# Altium PCB SI940D.PcbDoc (part 1 of 3) (continued)
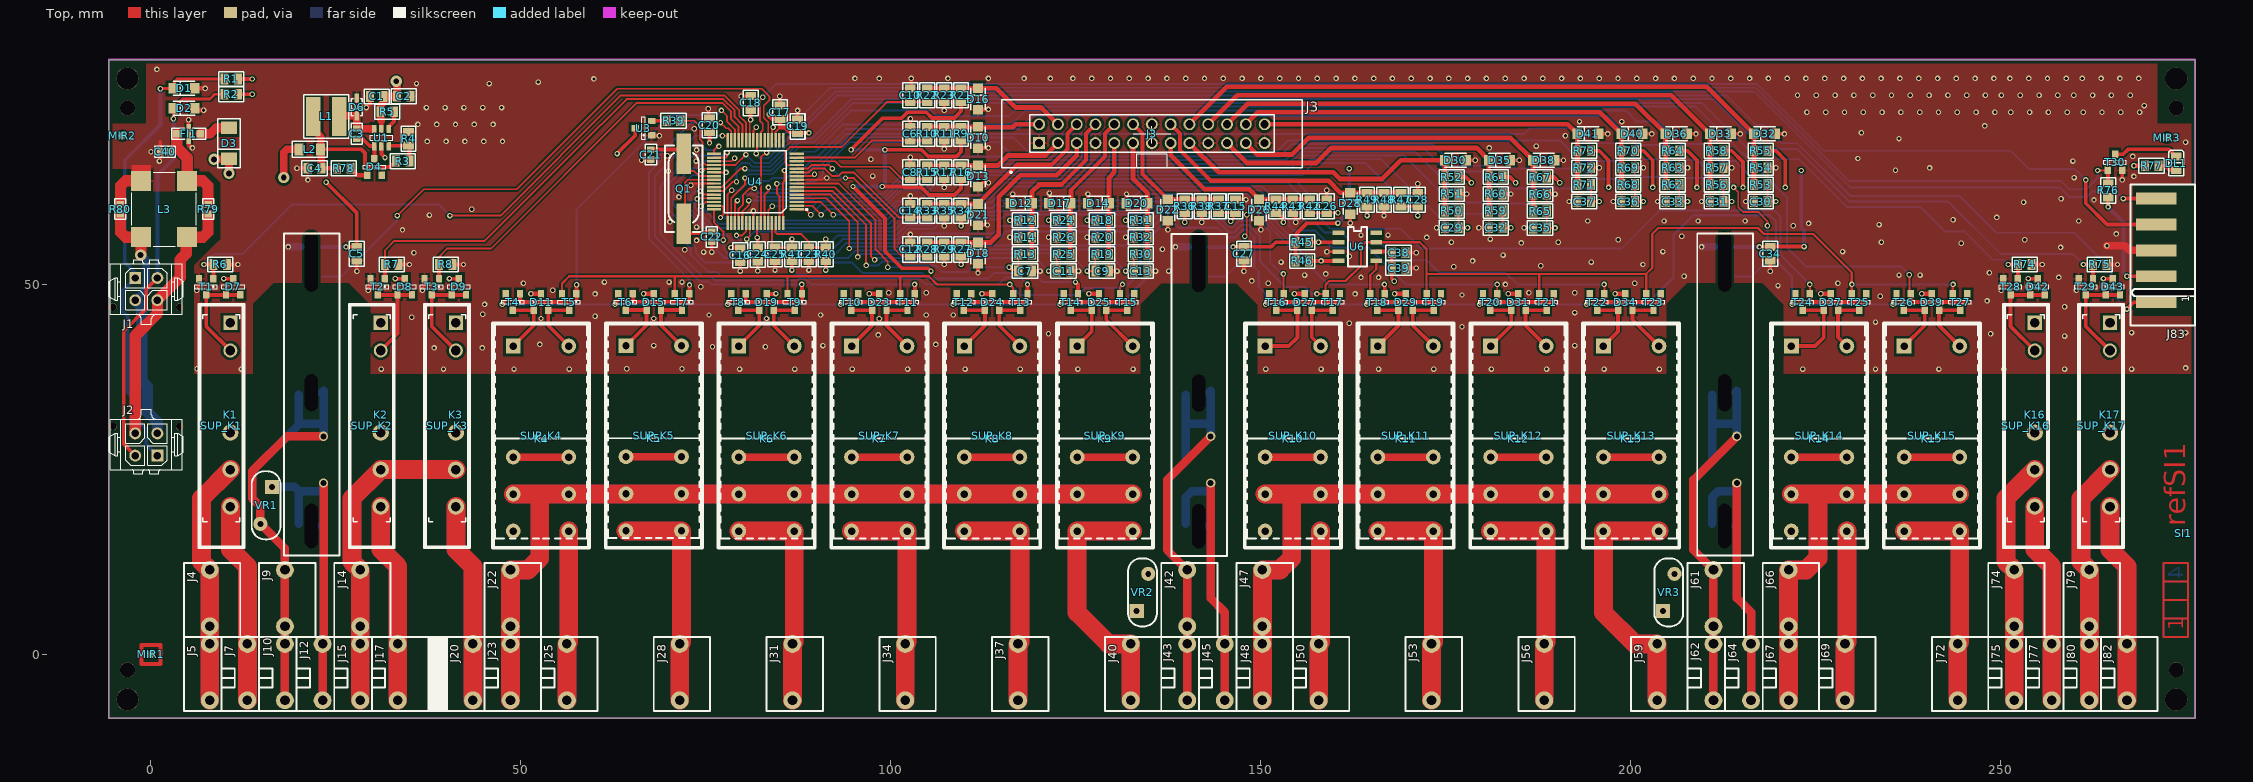
[diagram p0: Top view]
## Components (designator, comment, footprint, x,y, rotation, side; value= is the part's Value field where it differs from the comment) (continued)
K11 "RELAY_12VDC_1RT_BI_40.61.6" RELAY_FINDER_40.61_+SUPPORT_95 169.545,29.53 r0 top
K12 "RELAY_12VDC_1RT_BI_40.61.6" RELAY_FINDER_40.61_+SUPPORT_95 184.785,29.53 r0 top
K13 "RELAY_12VDC_1RT_BI_40.61.6" RELAY_FINDER_40.61_+SUPPORT_95 200.025,29.53 r0 top
K14 "RELAY_12VDC_1RT_BI_40.61.6" RELAY_FINDER_40.61_+SUPPORT_95 225.425,29.53 r0 top
K15 "RELAY_12VDC_1RT_BI_40.61.6" RELAY_FINDER_40.61_+SUPPORT_95 240.665,29.53 r0 top
K16 "RELAY_12VDC_1RT_34.51" RELAY_FINDER_34.51_+SUPPORT_93 253.365,30.88 r270 top
K17 "RELAY_12VDC_1RT_34.51" RELAY_FINDER_34.51_+SUPPORT_93 263.525,30.88 r270 top
L1 "SELF_10UH_1.19A_744043100" SELF_WE-TPC_4.8X4.78_(TYPE4828) 23.685,72.707 r180 top
L2 "IND_FERRITE_1206_74279218" 1206_REFLOWSOLDERING_FERRITE 21.463,68.263 r180 top
L3 "744272102" 744272102 1.778,60.198 r270 top
MIR1 "MIRE_PICK-N-PLACE" MIRE_PICK-N-PLACE_D1MM_VE3MM 0,0 r0 top
MIR2 "MIRE_PICK-N-PLACE" MIRE_PICK-N-PLACE_D1MM_VE3MM -3.873,70.104 r0 top
MIR3 "MIRE_PICK-N-PLACE" MIRE_PICK-N-PLACE_D1MM_VE3MM 272.415,69.85 r0 top
Q1 "QUARTZ_HC49/4HSMX_20M" QUARTZ_HC49_11.5X5_CMS 71.981,62.946 r270 top
R1 "RES_0805_1%_100PPM_0R" 0805_REFLOWSOLDERING_RES 10.827,77.772 r180 top
R2 "RES_0805_1%_100PPM_0R" 0805_REFLOWSOLDERING_RES 10.827,75.708 r180 top
R3 "RES_0805_1%_100PPM_47K" 0805_REFLOWSOLDERING_RES 34.004,66.675 r180 top
R4 "RES_0805_1%_100PPM_9.1K" 0805_REFLOWSOLDERING_RES 34.798,69.691 r270 top
R5 "RES_0805_1%_100PPM_10K" 0805_REFLOWSOLDERING_RES 31.941,73.343 r180 top
R6 "RES_0805_1%_100PPM_10K" 0805_REFLOWSOLDERING_RES 9.366,52.705 r180 top
R7 "RES_0805_1%_100PPM_10K" 0805_REFLOWSOLDERING_RES 32.544,52.705 r180 top
R8 "RES_0805_1%_100PPM_10K" 0805_REFLOWSOLDERING_RES 39.846,52.705 r180 top
R9 "RES_0805_1%_100PPM_10K" 0805_REFLOWSOLDERING_RES 109.474,70.358 r270 top
R10 "RES_0805_1%_100PPM_22K" 0805_REFLOWSOLDERING_RES 104.902,70.358 r270 top
R11 "RES_0805_1%_100PPM_6.8K" 0805_REFLOWSOLDERING_RES 107.188,70.358 r90 top
R12 "RES_0805_1%_100PPM_10K" 0805_REFLOWSOLDERING_RES 118.11,58.674 r180 top
R13 "RES_0805_1%_100PPM_22K" 0805_REFLOWSOLDERING_RES 118.11,54.102 r180 top
R14 "RES_0805_1%_100PPM_6.8K" 0805_REFLOWSOLDERING_RES 118.11,56.388 r0 top
R15 "RES_0805_1%_100PPM_22K" 0805_REFLOWSOLDERING_RES 104.902,65.151 r270 top
R16 "RES_0805_1%_100PPM_10K" 0805_REFLOWSOLDERING_RES 109.474,65.151 r270 top
R17 "RES_0805_1%_100PPM_6.8K" 0805_REFLOWSOLDERING_RES 107.188,65.151 r90 top
R18 "RES_0805_1%_100PPM_10K" 0805_REFLOWSOLDERING_RES 128.524,58.674 r180 top
R19 "RES_0805_1%_100PPM_22K" 0805_REFLOWSOLDERING_RES 128.524,54.102 r180 top
R20 "RES_0805_1%_100PPM_6.8K" 0805_REFLOWSOLDERING_RES 128.524,56.388 r0 top
R21 "RES_0805_1%_100PPM_10K" 0805_REFLOWSOLDERING_RES 109.474,75.565 r270 top
R22 "RES_0805_1%_100PPM_22K" 0805_REFLOWSOLDERING_RES 104.902,75.565 r270 top
R23 "RES_0805_1%_100PPM_6.8K" 0805_REFLOWSOLDERING_RES 107.188,75.565 r90 top
R24 "RES_0805_1%_100PPM_10K" 0805_REFLOWSOLDERING_RES 123.317,58.674 r180 top
R25 "RES_0805_1%_100PPM_22K" 0805_REFLOWSOLDERING_RES 123.317,54.102 r180 top
R26 "RES_0805_1%_100PPM_6.8K" 0805_REFLOWSOLDERING_RES 123.317,56.388 r0 top
R27 "RES_0805_1%_100PPM_10K" 0805_REFLOWSOLDERING_RES 109.474,54.737 r270 top
R28 "RES_0805_1%_100PPM_22K" 0805_REFLOWSOLDERING_RES 104.902,54.737 r270 top
R29 "RES_0805_1%_100PPM_6.8K" 0805_REFLOWSOLDERING_RES 107.188,54.737 r90 top
R30 "RES_0805_1%_100PPM_22K" 0805_REFLOWSOLDERING_RES 133.731,54.102 r180 top
R31 "RES_0805_1%_100PPM_10K" 0805_REFLOWSOLDERING_RES 133.731,58.674 r180 top
R32 "RES_0805_1%_100PPM_6.8K" 0805_REFLOWSOLDERING_RES 133.731,56.388 r0 top
R33 "RES_0805_1%_100PPM_22K" 0805_REFLOWSOLDERING_RES 104.902,59.944 r270 top
R34 "RES_0805_1%_100PPM_10K" 0805_REFLOWSOLDERING_RES 109.474,59.944 r270 top
R35 "RES_0805_1%_100PPM_6.8K" 0805_REFLOWSOLDERING_RES 107.188,59.944 r90 top
R36 "RES_0805_1%_100PPM_10K" 0805_REFLOWSOLDERING_RES 139.7,60.579 r270 top
R37 "RES_0805_1%_100PPM_22K" 0805_REFLOWSOLDERING_RES 144.272,60.579 r270 top
R38 "RES_0805_1%_100PPM_6.8K" 0805_REFLOWSOLDERING_RES 141.986,60.579 r90 top
R39 "RES_0805_1%_100PPM_1K" 0805_REFLOWSOLDERING_RES 70.612,72.136 r0 top
R40 "RES_0805_1%_100PPM_10K" 0805_REFLOWSOLDERING_RES 91.186,54.102 r270 top
R41 "RES_0805_1%_100PPM_10K" 0805_REFLOWSOLDERING_RES 86.614,54.102 r270 top
R42 "RES_0805_1%_100PPM_22K" 0805_REFLOWSOLDERING_RES 156.591,60.579 r270 top
R43 "RES_0805_1%_100PPM_6.8K" 0805_REFLOWSOLDERING_RES 154.305,60.579 r90 top
R44 "RES_0805_1%_100PPM_10K" 0805_REFLOWSOLDERING_RES 152.019,60.579 r270 top
R45 "RES_0805_1%_100PPM_10K" 0805_REFLOWSOLDERING_RES 155.575,55.721 r180 top
R46 "RES_0805_1%_100PPM_10K" 0805_REFLOWSOLDERING_RES 155.575,53.181 r180 top
R47 "RES_0805_1%_100PPM_22K" 0805_REFLOWSOLDERING_RES 168.91,61.468 r270 top
R48 "RES_0805_1%_100PPM_6.8K" 0805_REFLOWSOLDERING_RES 166.624,61.468 r90 top
R49 "RES_0805_1%_100PPM_10K" 0805_REFLOWSOLDERING_RES 164.338,61.468 r270 top
R50 "RES_0805_1%_100PPM_22K" 0805_REFLOWSOLDERING_RES 175.768,59.944 r0 top
R51 "RES_0805_1%_100PPM_6.8K" 0805_REFLOWSOLDERING_RES 175.768,62.23 r180 top
R52 "RES_0805_1%_100PPM_10K" 0805_REFLOWSOLDERING_RES 175.768,64.516 r0 top
R53 "RES_0805_1%_100PPM_22K" 0805_REFLOWSOLDERING_RES 217.551,63.5 r0 top
R54 "RES_0805_1%_100PPM_6.8K" 0805_REFLOWSOLDERING_RES 217.551,65.786 r180 top
R55 "RES_0805_1%_100PPM_10K" 0805_REFLOWSOLDERING_RES 217.551,68.072 r0 top
R56 "RES_0805_1%_100PPM_22K" 0805_REFLOWSOLDERING_RES 211.582,63.5 r0 top
R57 "RES_0805_1%_100PPM_6.8K" 0805_REFLOWSOLDERING_RES 211.582,65.786 r180 top
R58 "RES_0805_1%_100PPM_10K" 0805_REFLOWSOLDERING_RES 211.582,68.072 r0 top
R59 "RES_0805_1%_100PPM_22K" 0805_REFLOWSOLDERING_RES 181.737,59.944 r0 top
R60 "RES_0805_1%_100PPM_6.8K" 0805_REFLOWSOLDERING_RES 181.737,62.23 r180 top
R61 "RES_0805_1%_100PPM_10K" 0805_REFLOWSOLDERING_RES 181.737,64.516 r0 top
R62 "RES_0805_1%_100PPM_22K" 0805_REFLOWSOLDERING_RES 205.613,63.5 r0 top
R63 "RES_0805_1%_100PPM_6.8K" 0805_REFLOWSOLDERING_RES 205.613,65.786 r180 top
R64 "RES_0805_1%_100PPM_10K" 0805_REFLOWSOLDERING_RES 205.613,68.072 r0 top
R65 "RES_0805_1%_100PPM_22K" 0805_REFLOWSOLDERING_RES 187.706,59.928 r0 top
R66 "RES_0805_1%_100PPM_6.8K" 0805_REFLOWSOLDERING_RES 187.706,62.214 r180 top
R67 "RES_0805_1%_100PPM_10K" 0805_REFLOWSOLDERING_RES 187.706,64.516 r0 top
R68 "RES_0805_1%_100PPM_22K" 0805_REFLOWSOLDERING_RES 199.644,63.5 r0 top
R69 "RES_0805_1%_100PPM_6.8K" 0805_REFLOWSOLDERING_RES 199.644,65.786 r180 top
R70 "RES_0805_1%_100PPM_10K" 0805_REFLOWSOLDERING_RES 199.644,68.072 r0 top
R71 "RES_0805_1%_100PPM_22K" 0805_REFLOWSOLDERING_RES 193.675,63.5 r0 top
R72 "RES_0805_1%_100PPM_6.8K" 0805_REFLOWSOLDERING_RES 193.675,65.786 r180 top
R73 "RES_0805_1%_100PPM_10K" 0805_REFLOWSOLDERING_RES 193.675,68.072 r0 top
R74 "RES_0805_1%_100PPM_10K" 0805_REFLOWSOLDERING_RES 253.206,52.705 r180 top
R75 "RES_0805_1%_100PPM_10K" 0805_REFLOWSOLDERING_RES 263.366,52.705 r180 top
R76 "RES_0805_1%_100PPM_10K" 0805_REFLOWSOLDERING_RES 264.477,62.706 r270 top
R77 "RES_0805_1%_100PPM_1K" 0805_REFLOWSOLDERING_RES 270.351,66.04 r0 top
R78 "RES_0805_1%_100PPM_0R" 0805_REFLOWSOLDERING_RES 26.029,65.722 r180 top
R79 "RES_0603_1%_100PPM_0R" 0603_REFLOWSOLDERING_RES 7.747,60.198 r270 top
R80 "RES_0603_1%_100PPM_0R" 0603_REFLOWSOLDERING_RES -4.144,60.201 r270 top
SI1 "SI940D" CIRCUIT_IMPRIME_SI_STD 274.637,16.351 r90 top
SUP_K1 "RELAY-SUPPORT_93.11" RELAY-SUPPORT_FINDER_SERIE93 9.525,30.88 r90 top
SUP_K2 "RELAY-SUPPORT_93.11" RELAY-SUPPORT_FINDER_SERIE93 29.845,30.88 r90 top
SUP_K3 "RELAY-SUPPORT_93.11" RELAY-SUPPORT_FINDER_SERIE93 40.005,30.88 r90 top
SUP_K4 "RELAY-SUPPORT_95.15.2" RELAY-SUPPORT_FINDER_SERIE95 52.705,29.575 r0 top
SUP_K5 "RELAY-SUPPORT_95.15.2" RELAY-SUPPORT_FINDER_SERIE95 67.945,29.575 r0 top
SUP_K6 "RELAY-SUPPORT_95.15.2" RELAY-SUPPORT_FINDER_SERIE95 83.185,29.575 r0 top
SUP_K7 "RELAY-SUPPORT_95.15.2" RELAY-SUPPORT_FINDER_SERIE95 98.425,29.575 r0 top
SUP_K8 "RELAY-SUPPORT_95.15.2" RELAY-SUPPORT_FINDER_SERIE95 113.665,29.575 r0 top
SUP_K9 "RELAY-SUPPORT_95.15.2" RELAY-SUPPORT_FINDER_SERIE95 128.905,29.575 r0 top
SUP_K10 "RELAY-SUPPORT_95.15.2" RELAY-SUPPORT_FINDER_SERIE95 154.305,29.575 r0 top
SUP_K11 "RELAY-SUPPORT_95.15.2" RELAY-SUPPORT_FINDER_SERIE95 169.545,29.575 r180 top
SUP_K12 "RELAY-SUPPORT_95.15.2" RELAY-SUPPORT_FINDER_SERIE95 184.785,29.575 r180 top
SUP_K13 "RELAY-SUPPORT_95.15.2" RELAY-SUPPORT_FINDER_SERIE95 200.025,29.575 r180 top
SUP_K14 "RELAY-SUPPORT_95.15.2" RELAY-SUPPORT_FINDER_SERIE95 225.425,29.575 r180 top
SUP_K15 "RELAY-SUPPORT_95.15.2" RELAY-SUPPORT_FINDER_SERIE95 240.665,29.575 r180 top
SUP_K16 "RELAY-SUPPORT_93.11" RELAY-SUPPORT_FINDER_SERIE93 253.365,30.88 r90 top
SUP_K17 "RELAY-SUPPORT_93.11" RELAY-SUPPORT_FINDER_SERIE93 263.525,30.88 r270 top
T1 "ZXMN3A01F" SOT23_3L_REFLOWSOLDERING 7.461,49.689 r90 top
T2 "ZXMN3A01F" SOT23_3L_REFLOWSOLDERING 30.639,49.689 r90 top
T3 "ZXMN3A01F" SOT23_3L_REFLOWSOLDERING 37.941,49.689 r90 top
T4 "ZXMN3A01F" SOT23_3L_REFLOWSOLDERING 48.895,47.625 r90 top
T5 "ZXMN3A01F" SOT23_3L_REFLOWSOLDERING 56.515,47.625 r90 top
T6 "ZXMN3A01F" SOT23_3L_REFLOWSOLDERING 64.135,47.625 r90 top
T7 "ZXMN3A01F" SOT23_3L_REFLOWSOLDERING 71.755,47.625 r90 top
T8 "ZXMN3A01F" SOT23_3L_REFLOWSOLDERING 79.375,47.625 r90 top
T9 "ZXMN3A01F" SOT23_3L_REFLOWSOLDERING 86.995,47.625 r90 top
T10 "ZXMN3A01F" SOT23_3L_REFLOWSOLDERING 94.615,47.625 r90 top
T11 "ZXMN3A01F" SOT23_3L_REFLOWSOLDERING 102.235,47.625 r90 top
T12 "ZXMN3A01F" SOT23_3L_REFLOWSOLDERING 109.855,47.625 r90 top
T13 "ZXMN3A01F" SOT23_3L_REFLOWSOLDERING 117.475,47.625 r90 top
T14 "ZXMN3A01F" SOT23_3L_REFLOWSOLDERING 124.301,47.625 r90 top
T15 "ZXMN3A01F" SOT23_3L_REFLOWSOLDERING 131.921,47.625 r90 top
T16 "ZXMN3A01F" SOT23_3L_REFLOWSOLDERING 152.082,47.625 r90 top
T17 "ZXMN3A01F" SOT23_3L_REFLOWSOLDERING 159.702,47.625 r90 top
T18 "ZXMN3A01F" SOT23_3L_REFLOWSOLDERING 165.735,47.625 r90 top
T19 "ZXMN3A01F" SOT23_3L_REFLOWSOLDERING 173.355,47.625 r90 top
T20 "ZXMN3A01F" SOT23_3L_REFLOWSOLDERING 180.975,47.625 r90 top
T21 "ZXMN3A01F" SOT23_3L_REFLOWSOLDERING 188.595,47.625 r90 top
T22 "ZXMN3A01F" SOT23_3L_REFLOWSOLDERING 195.421,47.625 r90 top
T23 "ZXMN3A01F" SOT23_3L_REFLOWSOLDERING 203.041,47.625 r90 top
T24 "ZXMN3A01F" SOT23_3L_REFLOWSOLDERING 223.202,47.625 r90 top
T25 "ZXMN3A01F" SOT23_3L_REFLOWSOLDERING 230.822,47.625 r90 top
T26 "ZXMN3A01F" SOT23_3L_REFLOWSOLDERING 236.855,47.625 r90 top
T27 "ZXMN3A01F" SOT23_3L_REFLOWSOLDERING 244.475,47.625 r90 top
T28 "ZXMN3A01F" SOT23_3L_REFLOWSOLDERING 251.301,49.689 r90 top
T29 "ZXMN3A01F" SOT23_3L_REFLOWSOLDERING 261.461,49.689 r90 top
T30 "ZXMN3A01F" SOT23_3L_REFLOWSOLDERING 265.43,66.516 r270 top
U1 "LMR12010YMK" SOT23_6L 31.147,69.85 r270 top
U2 "SC943-0C" SI943C_REV_A 21.665,13.38 r90 top locked
U3 "NCP803SN308T1G" SOT23_3L_REFLOWSOLDERING 66.548,71.12 r0 top
U4 "PIC16F946-I/PT" QFP_064_E0,50_10X10MM 81.665,63.898 r180 top
U5 "SC943-0C" SI943C_REV_A 141.587,13.334 r90 top locked
U6 "MIC4426YM" SOIC_08_E1,27_L150_REFLOWSOLDERING 163.036,55.086 r270 top
U7 "SC943-0C" SI943C_REV_A 212.661,13.38 r90 top locked
VR1 "VDR_820572711" VDR_SERIE_820_D7_H13_E5MM 15.557,20.161 r270 top
VR2 "VDR_820572711" VDR_SERIE_820_D7_H13_E5MM 133.985,8.398 r90 top
VR3 "VDR_820572711" VDR_SERIE_820_D7_H13_E5MM 205.105,8.398 r90 top

## Footprints (in the part's own frame and the unit in brackets; to place one, negate y for a bottom-side part, rotate by r counter-clockwise, add the part's x,y. Pads: shape width x height; smd on the part's side, far side on the other; paste and mask are expansions set on the pad)
0603_REFLOWSOLDERING_CAP [mil]
  rect 35x40 smd paste-5: 1(-26.4,0) 2(26.4,0)
  silkscreen extent -55,-30 55,30, body extent -31,-16 32,16, height 35
0603_REFLOWSOLDERING_RES [mil]
  rect 35x40 smd paste-5: 1(-26.4,0) 2(26.4,0)
  silkscreen extent -55,-30 55,30, body extent -31,-16 31,16, height 22
0805_REFLOWSOLDERING_CAP [mil]
  rect 43x57 smd paste-3: 1(-36,0) 2(36,0)
  silkscreen extent -67,-39 67,39, body extent -39,-25 39,25, height 39
0805_REFLOWSOLDERING_RES [mil]
  rect 43x57 smd paste-3: 1(-36,0) 2(36,0)
  silkscreen extent -67,-39 67,39, body extent -39,-24 39,24, height 28
1206_REFLOWSOLDERING_FERRITE [mil]
  rect 47x63 smd paste-3: 1(-57.09,0) 2(57.09,0)
  silkscreen extent -92,-43 92,43, body extent -63,-31 63,31, height 39
744272102 [mm] "IND_FERRITE_WE-SL5_2X1000UH"
  rect 2.7x2.7 smd mask+0.064: 1(-3.81,3.11) 2(3.81,3.11) 3(3.81,-3.11) 4(-3.81,-3.11)
  silkscreen extent -5,-4.35 5,4.35, body extent -5,-4.35 5,4.35, height 6.01
BRESS_FFKDS/V2-5,08_P1.3 [mm]
  round 2.413 hole 1.3: 1(3.5,1.43) 2(3.5,9.05)
  silkscreen extent 0,0 6.88,10, body extent 0,0 6.88,10, height 15.8
BRESS_FFKDSA1/V2-7,62_P1.3 [mm]
  round 2.413 hole 1.3: 1(3.5,1.43) 2(3.5,9.05)
  silkscreen extent 0,0 7.62,10, body extent 0,0 7.62,10, height 15.85
BRESS_FFKDSA/V2-7,62_P1.3 [mm]
  round 2.413 hole 1.3: 1(3.5,1.43) 2(3.5,9.05)
  silkscreen extent 0,0 9.42,10, body extent 0,0 9.42,10, height 15.8
CIRCUIT_IMPRIME_SI_STD [mm]
DO214BA-P [mil]
  rect 66x86 smd paste-3: A(82.68,0) K(-82.68,0)
  silkscreen extent -130,-60 130,60, body extent -103,-51 103,51, height 114
DO219AB-SMF-P_REFLOWSOLDERING [mm]
  rect 1.3x1.4 smd paste-0.076: A(1.45,0) K(-1.45,0)
  silkscreen extent -1.45,-0.95 1.45,0.95, body extent -1.45,-0.95 1.45,0.95, height 0.99
EMB_ZEC_1893711_HOTE_NOBOTT [mm]
  rect 1.6x5.5 smd paste-25.4: 1(-7,0) 2(-3.5,0) 3(0,0) 4(3.5,0) 5(7,0)
  Top pour cut-out: -8.89,3.175 8.89,3.175 8.89,-5.715 -8.89,-5.715
  Bottom pour cut-out: -8.89,3.175 8.89,3.175 8.89,-5.715 -8.89,-5.715
  silkscreen extent -10.14,-5.25 8.89,3.45
IDC2P54_26P [mm] "Connector; Header; 13x2 Position"
  rect 1.6x1.6 hole 1.1 mask+0.051: 1(-15.24,-1.27)
  round 1.6 hole 1.1 mask+0.051: 2(-15.24,1.27) 3(-12.7,-1.27) 4(-12.7,1.27) 5(-10.16,-1.27) 6(-10.16,1.27) 7(-7.62,-1.27) 8(-7.62,1.27) 9(-5.08,-1.27) 10(-5.08,1.27) 11(-2.54,-1.27) 12(-2.54,1.27) 13(0,-1.27) 14(0,1.27) 15(2.54,-1.27) 16(2.54,1.27) 17(5.08,-1.27) 18(5.08,1.27) 19(7.62,-1.27) 20(7.62,1.27) 21(10.16,-1.27) 22(10.16,1.27) 23(12.7,-1.27) 24(12.7,1.27) 25(15.24,-1.27) 26(15.24,1.27)
  silkscreen extent -20.32,-5.33 20.32,4.6, body extent -20.34,-4.55 20.34,4.55, height 8.86
LED_0805_KPX_GREEN [mil]
  rect 43x57 smd paste-3: A(36,0) K(-36,0)
  silkscreen extent -69,-39 67,39, body extent -40,-25 40,25, height 43
MICRO-MATE-N-LOK_WURTH+TYCO_2X02_D [mm]
  rect 1.6x1.6 hole 1: 1(1.5,-1.5)
  round 1.6 hole 1: 2(-1.5,-1.5) 3(1.5,1.5) 4(-1.5,1.5)
  round 1 hole 1 unplated: FIX1(-4.5,2.44) FIX2(4.5,2.44)
  silkscreen extent -5,-3.94 5,4.73, body extent -5,-3.94 5,4.73, height 9.3
MIRE_PICK-N-PLACE_D1MM_VE3MM [mm]
  round 1 smd paste-25.4 mask+1: 1(0,0)
NFE31P [mil]
  rect 40x40 smd paste-3: 1(-62.5,0) 3(62.5,0)
  rect 24x106 smd paste-3 mask+4: 2(0,0)
  silkscreen extent -90,-30 90,30
QFP_064_E0,50_10X10MM [mm]
  rect 1.905x0.33 smd paste-0.076 mask+0.102: 1(-5.6,3.75) 2(-5.6,3.25) 3(-5.6,2.75) 4(-5.6,2.25) 5(-5.6,1.75) 6(-5.6,1.25) 7(-5.6,0.75) 8(-5.6,0.25) 9(-5.6,-0.25) 10(-5.6,-0.75) 11(-5.6,-1.25) 12(-5.6,-1.75) 13(-5.6,-2.25) 14(-5.6,-2.75) 15(-5.6,-3.25) 16(-5.6,-3.75) 33(5.6,-3.75) 34(5.6,-3.25) 35(5.6,-2.75) 36(5.6,-2.25) 37(5.6,-1.75) 38(5.6,-1.25) 39(5.6,-0.75) 40(5.6,-0.25) 41(5.6,0.25) 42(5.6,0.75) 43(5.6,1.25) 44(5.6,1.75) 45(5.6,2.25) 46(5.6,2.75) 47(5.6,3.25) 48(5.6,3.75)
  rect 0.33x1.905 smd paste-0.076 mask+0.102: 17(-3.75,-5.6) 18(-3.25,-5.6) 19(-2.75,-5.6) 20(-2.25,-5.6) 21(-1.75,-5.6) 22(-1.25,-5.6) 23(-0.75,-5.6) 24(-0.25,-5.6) 25(0.25,-5.6) 26(0.75,-5.6) 27(1.25,-5.6) 28(1.75,-5.6) 29(2.25,-5.6) 30(2.75,-5.6) 31(3.25,-5.6) 32(3.75,-5.6) 49(3.75,5.6) 50(3.25,5.6) 51(2.75,5.6) 52(2.25,5.6) 53(1.75,5.6) 54(1.25,5.6) 55(0.75,5.6) 56(0.25,5.6) 57(-0.25,5.6) 58(-0.75,5.6) 59(-1.25,5.6) 60(-1.75,5.6) 61(-2.25,5.6) 62(-2.75,5.6) 63(-3.25,5.6) 64(-3.75,5.6)
  silkscreen extent -7.06,-4.19 4.19,4.19, body extent -6,-6 6.02,6.02, height 1.1
QUARTZ_HC49_11.5X5_CMS [mil] "HC49/4H SMX"
  rect 216x77 smd paste-3: 1(-187.01,0) 2(187.01,0)
  silkscreen extent -230,-100 230,100, body extent -264,-96 264,96, height 200
RELAY-SUPPORT_FINDER_SERIE93 [mm]
  silkscreen extent -16.5,-3.1 16.5,3.1
RELAY-SUPPORT_FINDER_SERIE95 [mm]
  silkscreen extent -6.5,-15.15 6.5,15.15, body extent -6.5,-15.15 6.5,15.15, height 9.5
RELAY_FINDER_34.51_+SUPPORT_93 [mm]
  round 2.2 hole 1.3: 11(5.9,1.2) 12(0.9,1.2) 14(10.9,1.2)
  round 1.9 hole 1.3: A1(-10.2,1.2)
  rect 1.9x1.9 hole 1.3: A2(-13.95,1.2)
  silkscreen extent -16.5,-3.1 16.5,3.1, body extent -16.42,-3.1 16.58,3.1, height 28.9
RELAY_FINDER_40.61_+SUPPORT_95 [mm]
  round 2 hole 1: 11(-3.75,-7.85) 12(-3.75,-2.85) 14(-3.75,-12.85) 21(3.75,-7.85) 22(3.75,-2.85) 24(3.75,-12.85) A2(3.75,12.15)
  rect 2x2 hole 1: A1(-3.75,12.15)
  silkscreen extent -6.5,-15.15 6.5,15.15, body extent -6.5,-15.15 6.5,15.15, height 34.5
SELF_WE-TPC_4.8X4.78_(TYPE4828) [mm]
  rect 2x5.3 smd paste-0.102: 1(-1.75,0) 2(1.75,0)
  silkscreen extent -3.05,-2.92 3.05,2.92, body extent -2.4,-2.4 2.4,2.4, height 2.79
SI943C_REV_A [mm] "créé par FB (17/06/13) = copie de SI943B_REV_B + Step 3d MAJ"
  rect 0x0 hole 1.8 slot 6 at 0 deg unplated paste-25.4: 1(4,0)
  rrect40% 3.5x1.69 smd far side: 1TR(22,-1.405) 2TR(22,1.405) 3TR(4,-1.405) 4TR(4,1.405)
  rrect40% 2.4x1.69 smd far side: 1UC(41.7,-1.405) 2UC(37.7,-1.405)
  rect 0x0 hole 1.8 slot 5 at 0 deg unplated paste-25.4: 3(22,0)
  rrect40% 3x1.69 smd far side: 3UC(41.7,1.405)
  rect 0x0 hole 1.8 slot 8.1 at 0 deg unplated paste-25.4: 4(39.7,0)
  Top pour cut-out: -4.5,7.9 34.01,7.9 36.83,5.08 36.83,-5.08 33.91,-8 -4.5,-8
  Mid-Layer1 pour cut-out: -4.5,7.9 34.01,7.9 36.83,5.08 36.83,-5.08 33.91,-8 -4.5,-8
  Mid-Layer2 pour cut-out: -4.5,7.9 34.01,7.9 36.83,5.08 36.83,-5.08 33.91,-8 -4.5,-8
  Bottom pour cut-out: 43.561,-2.667 36.83,-2.667 36.83,2.413 40.513,2.413 40.513,0.635 43.561,0.635
  Bottom pour cut-out: -4.5,7.9 34.01,7.9 36.83,5.08 36.83,-5.08 33.91,-8 -4.5,-8
  silkscreen extent 0,-3.81 43.5,3.7, body extent 0.01,-3.46 43.52,3.15, height 13.43
SOD323_REFLOWSOLDERING [mm]
  rect 1.27x0.61 smd paste-0.076: A(1.175,0) K(-1.175,0)
  silkscreen extent -1.14,-0.76 1.14,0.76, body extent -1.3,-0.67 1.3,0.68, height 1.1
SOIC_08_E1,27_L150_REFLOWSOLDERING [mil]
  rect 24x63 smd paste-3: 1(-75,-100) 2(-25,-100) 3(25,-100) 4(75,-100) 5(75,100) 6(25,100) 7(-25,100) 8(-75,100)
  silkscreen extent -105,-50 105,50, body extent -98,-122 98,122, height 69
SOT23_3L_REFLOWSOLDERING [mil]
  rect 40x34 smd paste-3: 1(43.31,-38.39) 2(43.31,38.39) 3(-43.31,0)
  silkscreen extent -10,-60 10,60, body extent -55,-57 55,57, height 41
SOT23_6L [mil]
  rect 44x24 smd paste-3: 1(45.28,-37.4) 2(45.3,0) 3(45.28,37.4) 4(-45.28,37.4) 5(-45.28,0) 6(-45.28,-37.4)
  silkscreen extent -13,-60 14,60, body extent -59,-59 59,59, height 51
VDR_SERIE_820_D7_H13_E5MM [mm]
  rect 1.905x1.905 hole 0.8: 1(-2.5,0.78)
  round 1.905 hole 0.8: 2(2.5,-0.78)
  silkscreen extent -4.6,-1.94 4.6,1.94, body extent -4.49,-1.79 4.49,1.79, height 13.48

## Part data
C1 C5 C6 C7 C8 C9 C10 C11 C12 C13 C14 C15 C16 C17 C18 C19 C20 C24 C26 C27 C28 C29 C30 C31 C32 C33 C34 C35 C36 C37 C38: "Condensateur céramique, X7R, 10%, CMS 0805"
C2 C4 C39: "Condensateur céramique, X5R, 10%, CMS 0805"
C3: "Condensateur céramique, X7R, 10%, CMS 0603"
C21 C22: "Condensateur céramique, NPO, 5%, CMS 0603, 18pF/50V"
C23 C25: "Condensateur céramique, NPO, 5%, CMS 0805"
C40: "Multilayer Ceramic Capacitors MLCC - SMD/SMT 50volts 220pF C0G 5%"
D1 D2 D10 D12 D13 D14 D16 D17 D18 D20 D21 D22 D26 D28 D30 D32 D33 D35 D36 D38 D40 D41: "Diode Transil/TVS unidirectionnelle (A), 200W, 5V, CMS"
D3: "Diode de Redressement, Vrrm=100V, If=1A, Vf=1.1V, CMS"
D4 D7 D8 D9 D11 D15 D19 D23 D24 D25 D27 D29 D31 D34 D37 D39 D42 D43: "Diode Schottky double, BAT54 cathode com, Vrrm=30V, If=300mA, Vf=0.4Vmax, CMS"
D6: "Diode Schottky, Vrrm=20V, If=2A, Vf=450V, CMS"
DL1: "LED CMS 0805, Vert, Vf 2.5V@20mA (4-15mCd), 525nm, vue 120°"
FI1: "Filtre EMI selfique-capacitif, -20/+50%, 25Vcc/6A, -40/+85°C, 220pF"
J1 J2: "Embase type Micro Mate-n-Lok, e3mm, 4pts, droit, cont. étamés 20mR, 250V/5A, Iso 1500V, -40/+105°C"
J3: library part "Header 13X2", "26 Positions Header, Shrouded Connector 0.100\" (2.54mm) Through Hole Gold"
J4 J9 J14 J17 J22 J25 J28 J31 J34 J37 J42 J47 J50 J53 J56 J61 J66 J69 J74 J79 J82: "Bornier à connexion par ressorts/déconnexion par levier, série FFKDSA1/V2, e7.62, 1x1pts, droit, juxtaposable, 500V/17.5A, AWG22~16, Vert/Orange"
J5 J7 J10 J12 J15 J20 J43 J45 J62 J64 J75 J77 J80: "Bornier à connexion par ressorts/déconnexion par levier, série FFKDS/V2, e5.08, 1x1pts, droit, juxtaposable, 320V/15A, AWG22~16, Vert/Orange"
J23 J40 J48 J59 J67 J72: "Bornier à connexion par ressorts/déconnexion par levier, série FFKDSA/V2, e7.62, 1x1pts, droit, juxtaposable, 500V/17.5A, AWG22~16, Vert/Orange"
J83: "Implantation CI pour connecteur ZEC 1,0/5-ST-3,5 C1 R1,5 (ref 1893711)"
K1 K2 K3 K16 K17: "Relais 1RT, 12Vdc, série 34.51, Rc=1940R, Sw:250Vac/6A, Ron=? (AgSnO2)"
K4 K5 K6 K7 K8 K9 K10 K11 K12 K13 K14 K15: "Relais 1RT, 12Vdc, série 40.61.6 (bistable), Rc=900R, Sw:250Vac/16A, Ron=? (AgSnO2)"
L1: "Inductance bobinée CMS, 10uH +/- 10%, I=1.19A, Rdc=0.095R, SRF=40MHz, -40/+85°C"
L2: "Inductance à ferrite multicouches CMS, imp=600R@100MHz, +/-25%, Rdc=100mR, I=2A"
L3: library part IND_FERRITE_WE-SL5_2X1000UH, "Common Mode Filters / Chokes WE-SL5 Bifilar 2x1000uH 950mA"
MIR1 MIR2 MIR3: "Mire pour machine de placement CMS \"Pick'n Place\""
Q1: "Quartz CMS série HCM49 (équiv HC49/US), -10/+60°C, +/-30ppm, 18pF"
R1 R2 R3 R4 R5 R6 R7 R8 R9 R10 R11 R12 R13 R14 R15 R16 R17 R18 R19 R20 R21 R22 R23 R24 R25 R26 R27 R28 R29 R30 R31 R32 R33 R34 R35 R36 R37 R38 R39 R40 R41 R42 R43 R44 R45 R46 R47 R48 R49 R50 R51 R52 R53 R54 R55 R56 R57 R58 R59 R60 R61 R62 R63 R64 R65 R66 R67 R68 R69 R70 R71 R72 R73 R74 R75 R76 R77 R78: "Résistance CMS 0805, 0.125W, 1%, 100ppm, 150V"
R79 R80: "Résistance, 0.100W, 1%, 100ppm, 75V, 0R"
SI1: library part CIRCUIT_IMPRIME_MODEL, "Circuit Imprimé"
SUP_K1 SUP_K2 SUP_K3 SUP_K16 SUP_K17: "Suppor série 93 pour relais Finder séries 34, 250V/6A, Bleu"
SUP_K4 SUP_K5 SUP_K6 SUP_K7 SUP_K8 SUP_K9 SUP_K10 SUP_K11 SUP_K12 SUP_K13 SUP_K14 SUP_K15: "Suppor série 95 pour relais Finder séries 40, 250V/10A, Bleu, sans Etrier"
T1 T2 T3 T4 T5 T6 T7 T8 T9 T10 T11 T12 T13 T14 T15 T16 T17 T18 T19 T20 T21 T22 T23 T24 T25 T26 T27 T28 T29 T30: "Transistor MOSN logique, Vdss=30V, Id=2A, Rdson=0.12R, CMS"
U1: "Régulateur ajustable step down, 0.8~20V, 1A, Vin=3~20V, -40/+125°C, CMS"
U2 U5 U7: "Carte gradateur"
U3: "Superviseur de Reset pour microcontrolleur 3.08V -Pin SOT-23, CMS"
U4: "Microcontrôleur 8bit"
U6: "Dual High-Speed 1.5A MOSFET Driver, CMS"
VR1 VR2 VR3: "Varistance disque 275Vac, 350Vdc, 33J, Vbreak=430V@1mA, Vclamp=710V@10A, Ipeak=1200A"

## Free pads (board coordinates)
  round 3 hole 3 unplated: 0(-3.175,-6.08) 0(-3.175,77.84) 0(273.685,-6.08) 0(273.685,77.84)
  round 2 hole 2 unplated: 0(-3.175,-2.08) 0(-3.175,73.84) 0(273.685,-2.08) 0(273.685,73.84)
  round 1.524 hole 0.8: 1(17.939,64.453)

## Via types
v1: diameter 0.737, hole 0.432, Top to Bottom, 561 vias
v2: diameter 1.27, hole 0.8, Top to Bottom, 6 vias
v3: diameter 1.524, hole 0.8, Top to Bottom, 4 vias

## Nets (pads, with @x,y where several pads share a name; then routed paths per layer and width w, separated by ;. In a path a pad name is that pad's centre, name@x,y a point inside that pad or via, vN(x,y) a via of type N, cw(c..) or ccw(c..) an arc to the next point about the centre after c; other vN are vias at no path point)
+5V: C5.1 C16.1 C17.2 C18.2 C19.2 C20.2 C24.2 C27.1 C34.1 J83.2 L2.2 pad.1 R40.2 R41.2 R45.2 R46.2 R76.2 U2.1UC U3.3 U4.10 U4.19 U4.26 U4.38 U4.57 U5.1UC U7.1UC | length 116.7
  Top w0.254: U4.38@76.065,65.148 77.721,65.148 v1(77.724,65.151) ; U4.26@80.915,69.498 80.915,71.836 ; v1(81.915,56.346) U4.57@81.915,58.298 ; U4.19@84.415,69.498 84.415,70.617 84.999,71.201 ; U4.10@87.265,64.648 89.413,64.648 v1(89.662,64.897)
  Top w0.508: v1(23.654,63.817) 27.819,59.652 C5.1@27.819,55.086 v1(26.352,55.086) ; v1(62.992,67.691) 65.448,70.147 U3.3@65.448,71.12 ; v1(75.474,69.137) C20.2@75.474,70.604 ; v1(78.359,54.991) 78.384,55.016 C16.1@79.629,55.016 ; C18.2@80.871,73.62 C18.2@80.915,73.576 ; v1@80.915,72.153 v1(81.03,72.268) C18.2@81.03,73.62 ; v1(81.915,56.346) 81.982,56.278 C24.2@81.982,54.97 ; v1(83.566,73.025) 83.566,72.644 83.883,72.326 84.975,72.326 C17.2@84.999,72.35 84.999,71.201 85.634,71.201 86.269,70.566 87.1,70.566 C19.2@87.38,70.286 ; v1(86.614,51.943) R41.2@86.614,53.188 ; C19.2@87.38,70.445 87.42,70.485 v1(88.9,70.485) ; v1(91.186,51.943) R40.2@91.186,53.188 ; v1(146.229,55.086) C27.1@147.696,55.086 151.352,55.086 151.987,55.721 R45.2@154.661,55.721 ; R46.2@154.661,53.181 R45.2@154.661,55.721 ; v1(160.401,58.293) 156.21,58.293 154.813,56.896 154.813,55.874 R45.2@154.661,55.721 ; v1(217.349,55.086) C34.1@218.816,55.086 218.848,55.118 v1(223.393,55.118) ; v1(264.477,60.484) R76.2@264.477,61.792 ; v1(267.017,51.117) 267.025,51.11 J83.2@270.975,51.11
  Top w1.016: pad.1@17.939,64.453 17.939,67.85 18.351,68.263 L2.2@20.013,68.263
  Bottom w0.508: U2.1UC@23.07,55.08 26.346,55.08 v1(26.352,55.086) ; U5.1UC@142.992,55.034 146.177,55.034 v1(146.229,55.086) ; v1(160.401,58.293) 161.925,59.817 v1(161.925,65.659) ; U7.1UC@214.067,55.08 217.343,55.08 v1(217.349,55.086) ; v1(223.012,65.405) 223.012,57.658 223.393,57.277 v1(223.393,55.118) ; v1(264.477,60.484) 266.541,58.42 266.541,51.594 v1(267.017,51.117)
+12V: C1.1 C2.2 C38.1 C39.2 D3.K D7.3 D8.3 D9.3 D11.3 D15.3 D19.3 D23.3 D24.3 D25.3 D27.3 D29.3 D31.3 D34.3 D37.3 D39.3 D42.3 D43.3 K1.A2 K2.A2 K3.A2 K16.A2 K17.A2 R5.2 R9.2 R12.2 R16.2 R18.2 R21.2 R24.2 R27.2 R31.2 R34.2 R36.2 R44.2 R49.2 R52.2 R55.2 R58.2 R61.2 R64.2 R67.2 R70.2 R73.2 R77.1 U1.5 U6.6 | length 168.5
  Top w0.508: v1(9.842,50.8) 9.854,50.789 D7.3@11.112,50.789 ; U1.5@31.147,71 31.147,72.136 ; v1(33.02,50.8) 33.031,50.789 D8.3@34.29,50.789 ; v1(40.322,50.8) 40.334,50.789 D9.3@41.593,50.789 ; D19.3@83.185,48.725 84.412,48.725 v1(84.455,48.768) ; v1(94.615,68.199) 98.87,72.453 101.409,72.453 102.235,73.279 104.775,73.279 105.537,72.517 108.585,72.517 109.474,73.406 R21.2@109.474,74.651 ; v1(94.869,63.246) 99.187,58.928 99.187,54.483 101.473,52.197 105.029,52.197 v1(105.41,51.816) ; v1(98.806,63.246) 101.6,63.246 101.727,63.119 104.14,63.119 105.156,62.103 108.585,62.103 109.474,62.992 R16.2@109.474,64.237 ; v1(99.187,68.199) 104.14,68.199 105.029,67.31 108.839,67.31 109.474,67.945 R9.2@109.474,69.444 ; v1(109.474,52.705) R27.2@109.474,53.823 ; v1(109.474,57.912) R34.2@109.474,59.03 ; v1(116.078,58.674) R12.2@117.196,58.674 ; v1(121.285,58.674) R24.2@122.403,58.674 ; v1(126.492,58.674) R18.2@127.61,58.674 ; v1(131.699,58.674) R31.2@132.817,58.674 ; v1(139.7,58.42) R36.2@139.7,59.665 ; R44.2@152.019,59.665 152.233,59.665 153.035,58.863 v1(153.035,58.42) ; v1(164.338,59.309) R49.2@164.338,60.554 ; U6.6@165.576,54.451 167.519,54.451 C38.1@167.678,54.292 C39.2@167.678,52.229 167.678,50.762 v1(167.997,50.443) ; R52.2@176.682,64.516 177.673,64.516 v1(178.435,63.754) ; R61.2@182.651,64.516 183.642,64.516 v1(184.404,63.754) ; R67.2@188.62,64.516 189.611,64.516 v1(190.373,63.754) ; R73.2@194.589,68.072 195.707,68.072 196.977,66.802 v1(196.977,63.119) ; R70.2@200.558,68.072 201.676,68.072 202.946,66.802 v1(202.946,63.119) ; R64.2@206.527,68.072 207.645,68.072 208.915,66.802 v1(208.915,63.119) ; R58.2@212.496,68.072 213.614,68.072 215.138,66.548 v1(215.138,63.119) ; R55.2@218.465,68.072 219.583,68.072 220.853,66.802 v1(220.853,63.119) ; v1(253.682,50.8) 253.694,50.789 D42.3@254.952,50.789 ; v1(263.842,50.8) 263.854,50.789 D43.3@265.113,50.789
  Top w0.635: v1(51.333,48.743) 52.687,48.743 D11.3@52.705,48.725 ; v1(66.573,48.743) 67.927,48.743 D15.3@67.945,48.725 ; v1(97.053,48.743) 98.407,48.743 D23.3@98.425,48.725 ; v1(112.293,48.743) 113.647,48.743 D24.3@113.665,48.725 ; v1(126.74,48.743) 128.094,48.743 D25.3@128.111,48.725 ; v1(154.521,48.743) 155.875,48.743 D27.3@155.892,48.725 ; v1(168.062,48.743) 169.527,48.743 D29.3@169.545,48.725 ; v1(183.413,48.743) 184.767,48.743 D31.3@184.785,48.725 ; v1(197.86,48.743) 199.214,48.743 D34.3@199.231,48.725 ; v1(225.641,48.743) 226.995,48.743 D37.3@227.012,48.725 ; v1(239.293,48.743) 240.647,48.743 D39.3@240.665,48.725 ; v1(267.97,66.04) R77.1@269.437,66.04
  Top w1.016: v3@8.477,66.913 10.482,66.913 D3.K@10.541,66.972 v3@10.541,65.008 ; 31.147,72.136 31.026,72.257 R5.2@31.026,73.343 31.026,74.222 31.426,74.622 C1.1@31.426,75.406 33.217,75.406 C2.2@33.249,75.438 v3@33.249,76.987
  Bottom w0.508: v1(94.615,68.199) v1(99.187,68.199) 99.187,63.627 v1(98.806,63.246) v1(94.869,63.246)
  other v3: 10.541,65.024 8.509,66.913 33.147,77.47
+VBUS: J1.4 J2.4 L3.2 R79.2 | length 28.2
  Top w1.524: J2.4@-2.135,29.88 -2.135,43.077 0.865,46.077 J1.4@0.865,47.88 3.937,50.952 3.937,53.34 4.761,54.164 L3.2@4.761,55.245
+VIN: C40.2 FI1.1 L3.1 R79.1 | length 8.1
  Top w1: C40.2@2.576,67.945 2.921,67.945 3.492,68.516
  Top w1.524: FI1.1@3.492,70.358 3.492,68.516 4.888,67.121 L3.1@4.888,64.008
\M\C\L\R\/VPP: J83.1 R39.2 U4.36 | length 223.6
  Top w0.254: R39.2@71.526,72.136 73.442,72.136 74.204,71.374 74.204,69.613 74.521,69.296 74.521,66.597 74.97,66.148 U4.36@76.065,66.148 78.975,66.148 v1(80.391,67.564)
  Top w0.508: v1(267.017,46.672) 267.955,47.61 J83.1@270.975,47.61
  Bottom w0.254: v1(80.391,67.564) 81.534,66.421 83.566,66.421 92.71,75.565 212.852,75.565 216.852,71.564 217.868,71.564 220.345,69.088 222.504,69.088 229.616,61.976 244.348,61.976 249.333,56.991 259.874,56.991 264.954,51.911 264.954,48.736 v1(267.017,46.672)